# Altium PCB keyboard_main.PcbDoc (part 1 of 2) (continued)
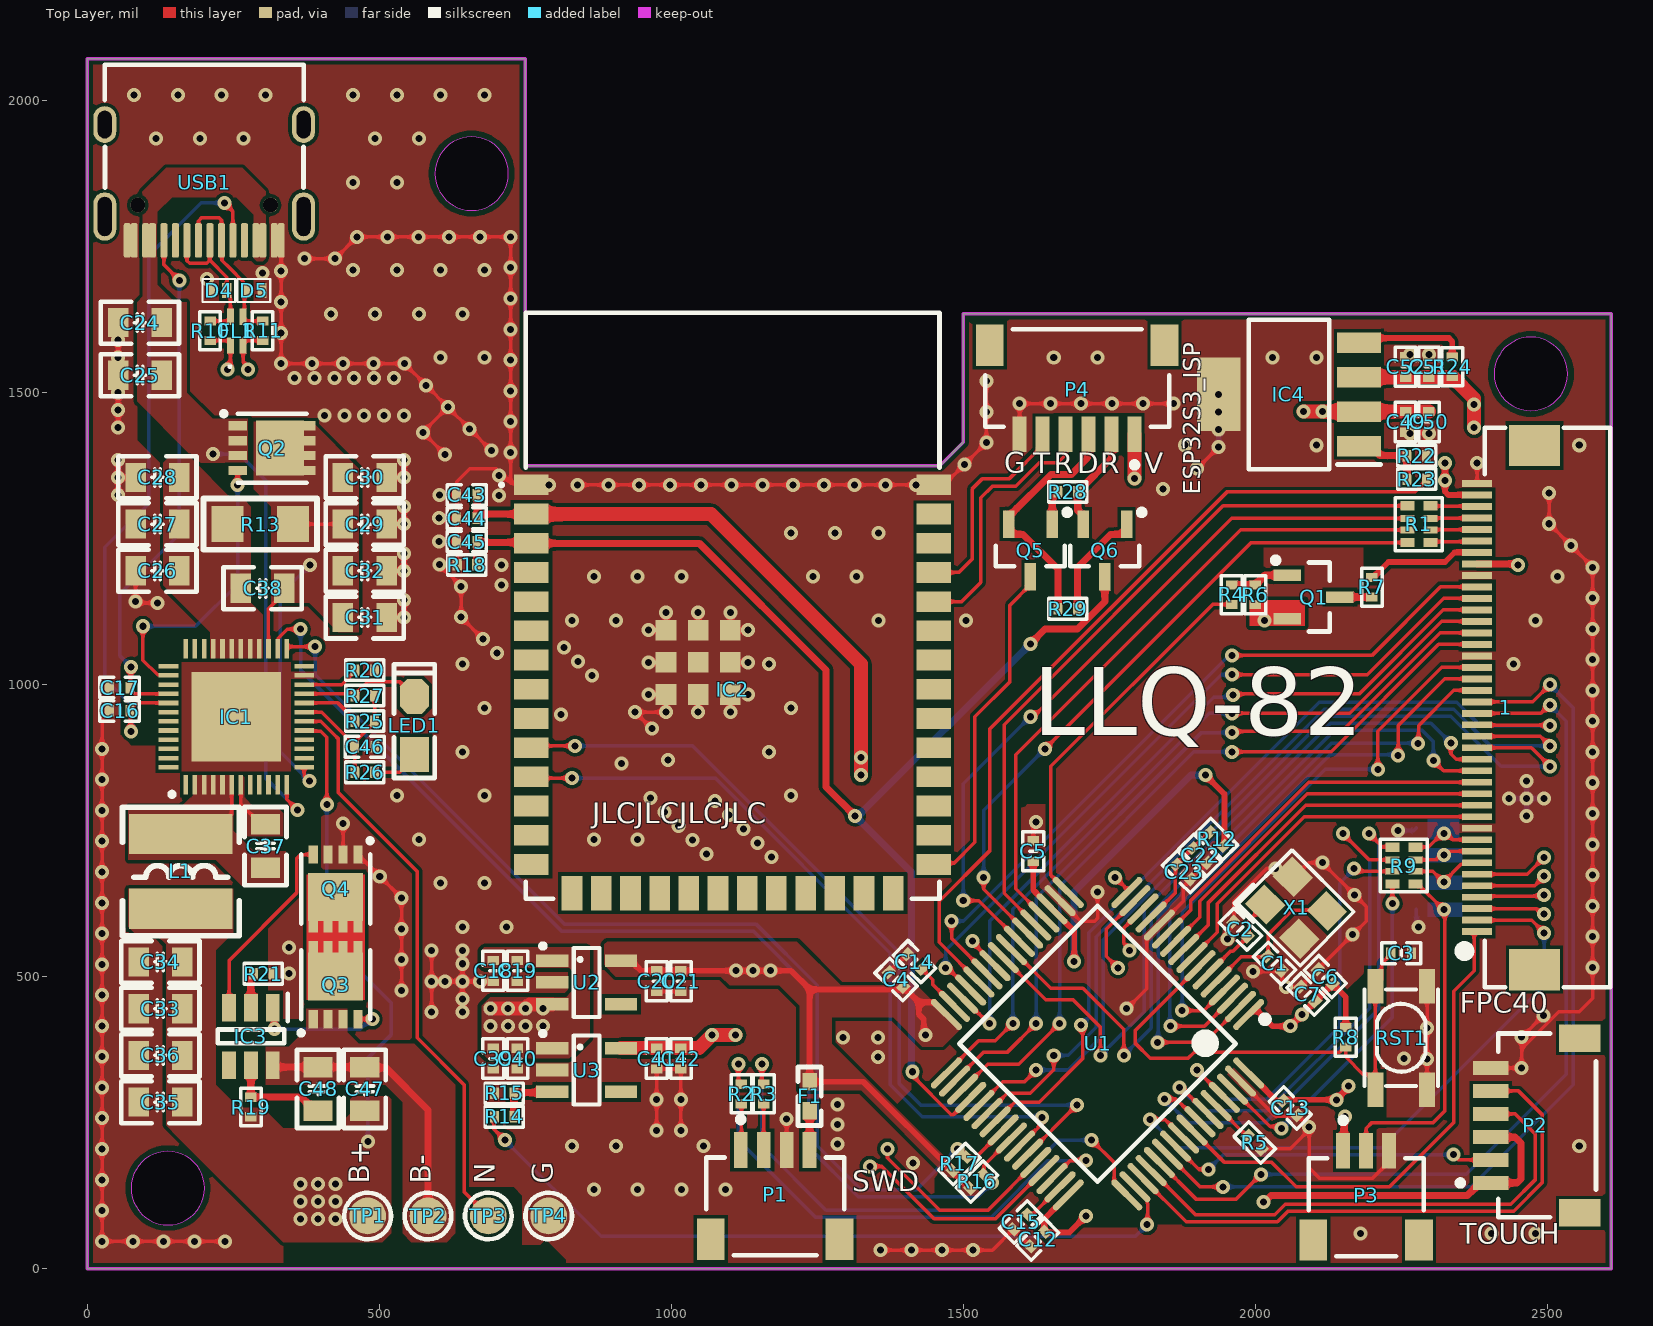
[diagram p0: Top Layer view]
## Components (designator, comment, footprint, x,y, rotation, side; value= is the part's Value field where it differs from the comment)
1 "FPC1.0-40P" "FPC0.5 2H-WS-40P" 2478.31,960.75 r90 top locked
C1 "22pF" "C 0402_L" 2033.24,522.56 r315 top
C2 "22pF" "C 0402_L" 1974.78,581.02 r135 top
C3 "0.1uF" "C 0402_L" 2250,540 r0 top
C4 "0.1uF" "C 0402_L" 1385,495 r315 top
C5 "0.1uF" "C 0402_L" 1620,715 r270 top
C6 "0.1uF" "C 0402_L" 2120,500 r315 top
C7 "0.1uF" "C 0402_L" 2090,470 r315 top
C8 "47pF" "C 0402_L" 2360,755 r180 bottom
C9 "47pF" "C 0402_L" 2360,708.34 r180 bottom
C10 "47pF" "C 0402_L" 2360,661.67 r180 bottom
C11 "47pF" "C 0402_L" 2360,615 r180 bottom
C12 "0.1uF" "C 0402_L" 1627.5,50.43 r45 top
C13 "2.2uF" "C 0402_L" 2060,275 r135 top
C14 "2.2uF" "C 0402_L" 1416.46,525.61 r315 top
C15 "2.2uF" "C 0402_L" 1598.18,79.75 r45 top
C16 "330pF" "C 0402_L" 55,955 r180 top
C17 "330pF" "C 0402_L" 55,995 r180 top
C18 "4.7uF" "C 0402_L" 695,509.68 r270 top
C19 "0.1uF" "C 0402_L" 736.33,509.68 r270 top
C20 "4.7uF" "C 0402_L" 975,492.28 r270 top
C21 "0.1uF" "C 0402_L" 1016.43,492.28 r270 top
C22 "4.7uF" "C 0402_L" 1905.68,707.75 r315 top
C23 "0.1uF" "C 0402_L" 1877.4,679.47 r315 top
C24 "22uF" "C 0805_L" 90,1620 r0 top
C25 "0.1uF" "C 0805_L" 90,1530 r0 top
C26 "22uF" "C 0805_L" 120,1195 r180 top
C27 "22uF" "C 0805_L" 120,1275 r180 top
C28 "22uF" "C 0805_L" 120,1355 r180 top
C29 "22uF" "C 0805_L" 475,1275 r0 top
C30 "22uF" "C 0805_L" 475,1355 r0 top
C31 "22uF" "C 0805_L" 475,1115 r0 top
C32 "0.1uF" "C 0805_L" 475,1195 r0 top
C33 "22uF" "C 0805_L" 125,445 r0 top
C34 "22uF" "C 0805_L" 125,525 r0 top
C35 "22uF" "C 0805_L" 125,285 r0 top
C36 "0.1uF" "C 0805_L" 125,365 r0 top
C37 "0.1uF" "C 0805_L" 305,723.52 r270 top
C38 "0.1uF" "C 0805_L" 300,1165 r0 top
C39 "4.7uF" "C 0402_L" 695,359.68 r270 top
C40 "0.1uF" "C 0402_L" 736.33,359.68 r270 top
C41 "4.7uF" "C 0402_L" 975,359.68 r270 top
C42 "0.1uF" "C 0402_L" 1016.43,359.68 r270 top
C43 "0.1uF" "C 0402_L" 650,1325 r0 top
C44 "4.7uF" "C 0402_L" 650,1285 r0 top
C45 "0.1uF" "C 0402_L" 650,1245 r180 top
C46 "0.1uF" "C 0402_L" 475,893.74 r180 top
C47 "0.1uF" "C 0805_L" 475,307.6 r90 top
C48 "0.1uF" "C 0805_L" 395,307.6 r90 top
C49 "4.7uF" "C 0402_L" 2257.63,1449.82 r270 top
C50 "0.1uF" "C 0402_L" 2297.62,1449.82 r270 top
C51 "4.7uF" "C 0402_L" 2297.62,1544.31 r90 top
C52 "0.1uF" "C 0402_L" 2257.62,1544.31 r90 top
D1 "PESD5V0F1BL,315" SOD-882_L1.0-W0.6-BI 2290,755 r180 bottom
D2 "PESD5V0F1BL,315" SOD-882_L1.0-W0.6-BI 2290,708.33 r180 bottom
D3 "PESD5V0F1BL,315" SOD-882_L1.0-W0.6-BI 2290,661.67 r180 bottom
D4 "PESD5V0F1BL,315" SOD-882_L1.0-W0.6-BI 225,1675 r180 top
D5 "PESD5V0F1BL,315" SOD-882_L1.0-W0.6-BI 285,1675 r0 top
D6 "PESD5V0F1BL,315" SOD-882_L1.0-W0.6-BI 2290,615 r180 bottom
F1 "0.6A" "FU 0402" 1236.91,295 r270 top
FL1 "DLP11SN900HL2B" DLP11SA350HL2B 255.83,1605.39 r90 top
IC1 "SW6208" QFN40P600X600X80-49N 255,945 r90 top
IC2 "ESP32-S3-WROOM-1" ESP32S3WROOM1 1105,1135 r0 top
IC3 "DW01+G" SOT95P280X145-6N 280,397.6 r270 top
IC4 "LP3875EMP-3.3_NOPB" SOT150P700X180-5N 2057.62,1497.06 r180 top
L1 "2.2uH" CD42 160,680 r90 top
LED1 "红色" "LED 0805G" 560,930 r90 top
P1 "SWD" JST-SM04B-SRSS-TB_V 1177.86,106.54 r0 top
P2 "TOUCH" JST-SM06B-SRSS-TB_V 2500,245 r90 top
P3 "RGB4" JST-SM03B-SRSS-TB_V 2190,105 r0 top
P4 "ESP32_ISP" JST-SM06B-SRSS-TB_V 1695,1525 r180 top
Q1 "SS8550" SOT23-3N 2100,1150 r270 top
Q2 "AON7544" DFN-8_L3.0-W3.0-P0.65-BL 316.22,1405 r270 top
Q3 "AON7544" DFN-8_L3.0-W3.0-P0.65-BL 425,486.22 r0 top
Q4 "AON7544" DFN-8_L3.0-W3.0-P0.65-BL 425,650 r180 top
Q5 "SS8050" SOT23-3N 1615,1230 r180 top
Q6 "SS8050" SOT23-3N 1742.6,1230 r180 top
R1 "22R" RCA-8P4R-0402 2280.31,1274.84 r270 top
R2 "0R" "R 0402_L" 1120,300 r270 top
R3 "0R" "R 0402_L" 1158.18,300 r270 top
R4 "1K" "R 0402_L" 1960,1153.04 r90 top
R5 "10K" "R 0402_L" 1998.61,216.39 r315 top
R6 "10K" "R 0402_L" 2000,1155 r270 top
R7 "10R" "R 0402_L" 2200,1167.71 r270 top
R8 "10K" "R 0402_L" 2155,395 r90 top
R9 "0R" RCA-8P4R-0402 2254.69,690.16 r270 top
R10 "22R" "R 0402_L" 210,1605 r90 top
R11 "22R" "R 0402_L" 300,1605 r90 top
R12 "0R" "R 0402_L" 1935,735 r135 top
R13 "5mR" "R 1206_L" 295,1275 r0 top
R14 "10R" "R 0402_L" 713.04,260 r0 top
R15 "10K" "R 0402_L" 715,300 r180 top
R16 "4.7K" "R 0402_L" 1522.72,148.44 r45 top
R17 "4.7K" "R 0402_L" 1492.72,178.44 r45 top
R18 "10K" "R 0402_L" 650.98,1205 r180 top
R19 "100R" "R 0402_L" 280,277.6 r270 top
R20 "Rcset" "R 0402_L" 474.02,1025 r0 top
R21 "1K" "R 0402_L" 300,505 r0 top
R22 "10K" "R 0402_L" 2277.62,1392.06 r180 top
R23 "10R" "R 0402_L" 2277.62,1352.06 r180 top
R24 "0R" "R 0402_L" 2337.62,1545.29 r270 top
R25 "10K" "R 0402_L" 475.98,937.49 r180 top
R26 "2K" "R 0402_L" 474.02,850 r0 top
R27 "Rbset" "R 0402_L" 475.98,981.24 r180 top
R28 "10K" "R 0402_L" 1680,1330 r180 top
R29 "10K" "R 0402_L" 1678.04,1130 r0 top
RST1 "KEY_M" SMD-3.2*4.2 2250,395 r90 top
TP1 "BAT+" "TEST 1.6" 480,90 r0 top
TP2 "BAT-" "TEST 1.6" 583.33,90 r0 top
TP3 "NTC" "TEST 1.6" 686.67,90 r180 top
TP4 "GND" "TEST 1.6" 790,90 r180 top
U1 "STM32F405RGT6_LQFP64" LQFP-64_10X10X05P 1730,385 r225 top locked
U2 "RT9013-33GB" SOT23-5M 855,490 r270 top
U3 "RT9013-33GB" SOT23-5M 855,340 r270 top
USB1 "USB_Type-C" Type-C-TOP 200,1860 r90 top locked
X1 "12M" "OSC 3225-4P" 2070.04,617.82 r315 top

## Footprints (in the part's own frame and the unit in brackets; to place one, negate y for a bottom-side part, rotate by r counter-clockwise, add the part's x,y. Pads: shape width x height; smd on the part's side, far side on the other; paste and mask are expansions set on the pad)
"C 0402_L" [mm] "无极性贴片电容         淘宝ID:黄晶宝石"
  rect 0.4x0.5 smd: 1(-0.45,0) 2(0.45,0)
  silkscreen extent -0.85,-0.45 0.85,0.45, body extent -0.5,-0.26 0.5,0.26, height 0.53
"C 0805_L" [mil] "无极性贴片电容                                        淘宝ID:黄晶宝石"
  rect 35x50 smd: 1(-37.4,0) 2(37.4,0)
  silkscreen extent -67,-36 67,36, body extent -39,-24 39,24, height 20
CD42 [mm] "4.5*4*2mm（长宽高）        淘宝ID:黄晶宝石"
  rect 1.75x4.5 smd: 1(-1.625,0) 2(1.625,0)
  silkscreen extent -2.79,-2.54 2.79,2.54, body extent -2.21,-2 2.21,2, height 2.1
DFN-8_L3.0-W3.0-P0.65-BL [mm]
  rect 0.4x0.8 smd: 1(-0.975,-1.5) 2(-0.325,-1.5) 3(0.325,-1.5) 4(0.975,-1.5) 5(0.975,1.5) 6(0.325,1.5) 7(-0.325,1.5) 8(-0.975,1.5)
  rect 2.4x2.1 smd: 8(0,0.35)
  silkscreen extent -1.6,-2.2 1.5,1.5, body extent -1.55,-1.7 1.55,1.5, height 0.81
DLP11SA350HL2B [mm]
  rect 0.7x0.3 smd: 1(-0.625,0.275) 2(0.625,0.275) 3(0.625,-0.275) 4(-0.625,-0.275)
  silkscreen extent -1.6,0.25 -1.5,0.35, body extent -0.63,-0.5 0.63,0.5, height 0.82
ESP32S3WROOM1 [mm]
  rect 1.5x0.9 smd: 1(-8.75,5.26) 2(-8.75,3.99) 3(-8.75,2.72) 4(-8.75,1.45) 5(-8.75,0.18) 6(-8.75,-1.09) 7(-8.75,-2.36) 8(-8.75,-3.63) 9(-8.75,-4.9) 10(-8.75,-6.17) 11(-8.75,-7.44) 12(-8.75,-8.71) 13(-8.75,-9.98) 14(-8.75,-11.25) 27(8.75,-11.25) 28(8.75,-9.98) 29(8.75,-8.71) 30(8.75,-7.44) 31(8.75,-6.17) 32(8.75,-4.9) 33(8.75,-3.63) 34(8.75,-2.36) 35(8.75,-1.09) 36(8.75,0.18) 37(8.75,1.45) 38(8.75,2.72) 39(8.75,3.99) 40(8.75,5.26)
  rect 0.9x1.5 smd: 15(-6.985,-12.5) 16(-5.715,-12.5) 17(-4.445,-12.5) 18(-3.175,-12.5) 19(-1.905,-12.5) 20(-0.635,-12.5) 21(0.635,-12.5) 22(1.905,-12.5) 23(3.175,-12.5) 24(4.445,-12.5) 25(5.715,-12.5) 26(6.985,-12.5)
  rect 0.9x0.9 smd: 41(-1.5,-2.46) 42(-1.5,-1.06) 43(-2.9,-1.06) 44(-2.9,-2.46) 45(-2.9,-3.86) 46(-1.5,-3.86) 47(-0.1,-3.86) 48(-0.1,-2.46) 49(-0.1,-1.06)
  silkscreen extent -10.1,-12.75 9,12.75, body extent -8.98,-12.78 9.04,12.73, height 3.11
"FPC0.5 2H-WS-40P" [mm] "长：24.2mm，宽：5.2mm，高：2mm 淘宝ID:黄晶宝石   店铺网址:https://shop463601444.taobao.com"
  rect 1.8x2.2 smd: 0(-11.4,0) 0(11.4,0)
  rect 0.3x1.3 smd: 1(-9.75,2.497) 2(-9.25,2.497) 3(-8.75,2.497) 4(-8.25,2.497) 5(-7.75,2.497) 6(-7.25,2.497) 7(-6.75,2.497) 8(-6.25,2.497) 9(-5.75,2.497) 10(-5.25,2.497) 11(-4.75,2.497) 12(-4.25,2.497) 13(-3.75,2.497) 14(-3.25,2.497) 15(-2.75,2.497) 16(-2.25,2.497) 17(-1.75,2.497) 18(-1.25,2.497) 19(-0.75,2.497) 20(-0.25,2.497) 21(0.25,2.497) 22(0.75,2.497) 23(1.25,2.497) 24(1.75,2.497) 25(2.25,2.497) 26(2.75,2.497) 27(3.25,2.497) 28(3.75,2.497) 29(4.25,2.497) 30(4.75,2.497) 31(5.25,2.497) 32(5.75,2.497) 33(6.25,2.497) 34(6.75,2.497) 35(7.25,2.497) 36(7.75,2.497) 37(8.25,2.497) 38(8.75,2.497) 39(9.25,2.497) 40(9.75,2.497)
  silkscreen extent -12.17,-3.3 12.17,3.23, body extent -12.1,-3.15 12.1,2.85, height 2
"FU 0402" [mil] "贴片保险丝          淘宝ID:黄晶宝石"
  rect 30x25 smd: 1(-25,0) 2(25,0)
  silkscreen extent -50,-20 50,20, body extent -20,-10 20,10, height 15
JST-SM03B-SRSS-TB_V [mm] "SMD, 3-Leads, Body 5x4.25mm, Pitch 1mm"
  rect 0.6x1.55 smd: 1(-1,2.45) 2(0,2.45) 3(1,2.45)
  rect 1.2x1.8 smd: MP1(-2.3,-1.425) MP2(2.3,-1.425)
  silkscreen extent -2.5,-2.12 2.5,3.9, body extent -2.5,-2.12 2.5,2.83, height 2.9
JST-SM04B-SRSS-TB_V [mm] "SMD, 4-Leads, Body 6x4.25mm, Pitch 1mm"
  rect 0.6x1.55 smd: 1(-1.5,2.45) 2(-0.5,2.45) 3(0.5,2.45) 4(1.5,2.45)
  rect 1.2x1.8 smd: MP1(-2.8,-1.425) MP2(2.8,-1.425)
  silkscreen extent -3,-2.12 3,3.9, body extent -3,-2.12 3,2.83, height 2.9
JST-SM06B-SRSS-TB_V [mm] "SMD, 6-Leads, Body 8x4.25mm, Pitch 1mm"
  rect 0.6x1.55 smd: 1(-2.5,2.45) 2(-1.5,2.45) 3(-0.5,2.45) 4(0.5,2.45) 5(1.5,2.45) 6(2.5,2.45)
  rect 1.2x1.8 smd: MP1(-3.8,-1.425) MP2(3.8,-1.425)
  silkscreen extent -4,-2.12 4,3.9, body extent -4,-2.12 4,2.83, height 2.9
"LED 0805G" [mil] "绿色0805LED                              淘宝ID:黄晶宝石"
  rect 60x50 smd: 1(-50,0)
  oct 60x50 smd: 2(50,0)
  silkscreen extent -90,-35 105,35, body extent -39,-25 39,25, height 26
LQFP-64_10X10X05P [mil]
  oval 70.7x11.02 smd: 1(-218.5,147.64) 2(-218.5,127.95) 3(-218.5,108.27) 4(-218.5,88.58) 5(-218.5,68.9) 6(-218.5,49.21) 7(-218.5,29.53) 8(-218.5,9.84) 9(-218.5,-9.84) 10(-218.5,-29.53) 11(-218.5,-49.21) 12(-218.5,-68.9) 13(-218.5,-88.58) 14(-218.5,-108.27) 15(-218.5,-127.95) 16(-218.5,-147.64) 33(218.5,-147.64) 34(218.5,-127.95) 35(218.5,-108.27) 36(218.5,-88.58) 37(218.5,-68.9) 38(218.5,-49.21) 39(218.5,-29.53) 40(218.5,-9.84) 41(218.5,9.84) 42(218.5,29.53) 43(218.5,49.21) 44(218.5,68.9) 45(218.5,88.58) 46(218.5,108.27) 47(218.5,127.95) 48(218.5,147.64)
  oval 11.02x70.7 smd: 17(-147.64,-218.5) 18(-127.95,-218.5) 19(-108.27,-218.5) 20(-88.58,-218.5) 21(-68.9,-218.5) 22(-49.21,-218.5) 23(-29.53,-218.5) 24(-9.84,-218.5) 25(9.84,-218.5) 26(29.53,-218.5) 27(49.21,-218.5) 28(68.9,-218.5) 29(88.58,-218.5) 30(108.27,-218.5) 31(127.95,-218.5) 32(147.64,-218.5) 49(147.64,218.5) 50(127.95,218.5) 51(108.27,218.5) 52(88.58,218.5) 53(68.9,218.5) 54(49.21,218.5) 55(29.53,218.5) 56(9.84,218.5) 57(-9.84,218.5) 58(-29.53,218.5) 59(-49.21,218.5) 60(-68.9,218.5) 61(-88.58,218.5) 62(-108.27,218.5) 63(-127.95,218.5) 64(-147.64,218.5)
  silkscreen extent -238,-167 167,179, body extent -232,-232 232,232, height 61
"OSC 3225-4P" [mm] "3.2*2.5*0.7mm(长宽高)                         淘宝ID:黄晶宝石"
  rect 1.3x1.2 smd: 1(-1.05,-0.85) 2(1.05,-0.85) 3(1.05,0.85) 4(-1.05,0.85)
  silkscreen extent -2.03,-1.75 1.91,1.65, body extent -1.6,-1.25 1.6,1.25, height 0.7
QFN40P600X600X80-49N [mm]
  rect 0.85x0.2 smd: 1(-2.95,2.2) 2(-2.95,1.8) 3(-2.95,1.4) 4(-2.95,1) 5(-2.95,0.6) 6(-2.95,0.2) 7(-2.95,-0.2) 8(-2.95,-0.6) 9(-2.95,-1) 10(-2.95,-1.4) 11(-2.95,-1.8) 12(-2.95,-2.2) 25(2.95,-2.2) 26(2.95,-1.8) 27(2.95,-1.4) 28(2.95,-1) 29(2.95,-0.6) 30(2.95,-0.2) 31(2.95,0.2) 32(2.95,0.6) 33(2.95,1) 34(2.95,1.4) 35(2.95,1.8) 36(2.95,2.2)
  rect 0.2x0.85 smd: 13(-2.2,-2.95) 14(-1.8,-2.95) 15(-1.4,-2.95) 16(-1,-2.95) 17(-0.6,-2.95) 18(-0.2,-2.95) 19(0.2,-2.95) 20(0.6,-2.95) 21(1,-2.95) 22(1.4,-2.95) 23(1.8,-2.95) 24(2.2,-2.95) 37(2.2,2.95) 38(1.8,2.95) 39(1.4,2.95) 40(1,2.95) 41(0.6,2.95) 42(0.2,2.95) 43(-0.2,2.95) 44(-0.6,2.95) 45(-1,2.95) 46(-1.4,2.95) 47(-1.8,2.95) 48(-2.2,2.95)
  rect 3.9x3.9 smd: 49(0,0)
  silkscreen extent -3.47,2.7 -3.28,2.9, body extent -3.05,-3.05 3.05,3.05, height 0.8
"R 0402_L" [mm] "1/16W贴片电阻     淘宝ID:黄晶宝石"
  rect 0.4x0.5 smd: 1(-0.4,0) 2(0.45,0)
  silkscreen extent -0.8,-0.45 0.85,0.45, body extent -0.5,-0.25 0.5,0.25, height 0.3
"R 1206_L" [mil] "1/4W贴片电阻"
  rect 55x62 smd: 1(-55.12,0) 2(57.09,0)
  silkscreen extent -96,-44 98,44, body extent -63,-31 63,32, height 22
RCA-8P4R-0402 [mm] "2mm*1mm*0.45mm(长*宽*厚)"
  rect 0.4x0.6 smd: 1(-0.8,-0.5) 4(0.8,-0.5) 5(0.8,0.5) 8(-0.8,0.5)
  rect 0.3x0.6 smd: 2(-0.25,-0.5) 3(0.25,-0.5) 6(0.25,0.5) 7(-0.25,0.5)
  silkscreen extent -1.14,-1.02 1.15,1.01, body extent -1,-0.5 1,0.5, height 0.45
SMD-3.2*4.2 [mm]
  rect 1.5x0.7 smd: 1(-2.25,1.125) 1(2.25,1.125) 2(-2.25,-1.125) 2(2.25,-1.125)
  silkscreen extent -2.1,-1.6 2.1,1.6, body extent -2.73,-1.6 2.47,1.58, height 1.8
SOD-882_L1.0-W0.6-BI [mm]
  rect 0.4x0.65 smd: 1(-0.35,0) 2(0.35,0)
  silkscreen extent -0.71,-0.5 0.71,0.5, body extent -0.51,-0.3 0.49,0.3, height 0.43
SOT23-3N [mm] "3x1.3x1mm(长宽高)    封装库来自淘宝卖家 ID：黄晶宝石"
  rect 0.5x1.2 smd: 1(-0.95,-1.143) 2(0.95,-1.143) 3(0,1.143)
  silkscreen extent -1.72,-1.78 1.5,0.7, body extent -1.5,-1.2 1.5,1.2, height 1.05
SOT23-5M [mm] "3x1.6x1.1mm(长宽高) 封装库来自淘宝卖家 ID：黄晶宝石"
  rect 0.55x1.4 smd: 1(-0.95,-1.5) 2(0,-1.5) 3(0.95,-1.5) 4(0.95,1.5) 5(-0.95,1.5)
  silkscreen extent -1.66,-1.98 1.5,0.56, body extent -1.5,-1.4 1.5,1.4, height 1.15
SOT95P280X145-6N [mm]
  rect 1.2x0.6 smd: 1(-1.25,0.95) 2(-1.25,0) 3(-1.25,-0.95) 4(1.25,-0.95) 5(1.25,0) 6(1.25,0.95)
  silkscreen extent -1.85,-1.45 0.3,1.6, body extent -1.4,-1.45 1.4,1.45, height 1.45
SOT150P700X180-5N [mm]
  rect 1.9x0.9 smd: 1(-3.05,2.25) 2(-3.05,0.75) 3(-3.05,-0.75) 4(-3.05,-2.25)
  rect 1.9x3.2 smd: 5(3.05,0)
  silkscreen extent -4,-3.25 1.75,3.25, body extent -3.48,-3.25 3.48,3.25, height 1.69
"TEST 1.6" [mm] "测试点1.6mm"
  round 1.6 smd paste-1.6: 1(0,0)
  silkscreen extent -1.01,-1.02 1.02,1.02
Type-C-TOP [mm]
  round 0.65 hole 0.65: 0(-0.98,2.89) 0(-0.98,-2.89)
  oval 1.6x1 hole 0.6 slot 1.2 at 0 deg: 1(2.52,4.325) 2(2.52,-4.325)
  oval 2.1x1 hole 0.6 slot 1.7 at 0 deg: 3(-1.48,-4.325) 4(-1.48,4.325)
  rrect50% 1.5x0.3 smd: A1(-2.52,-3.35) A4(-2.52,-2.55) A5(-2.52,-1.25) A6(-2.52,-0.25) A7(-2.52,0.25) A8(-2.52,1.25) A9(-2.52,2.55) A12(-2.52,3.35) B1(-2.52,3.05) B4(-2.52,2.25) B5(-2.52,1.75) B6(-2.52,0.75) B7(-2.52,-0.75) B8(-2.52,-1.75) B9(-2.52,-2.25) B12(-2.52,-3.05)
  silkscreen extent -0.22,-4.33 5.12,4.33, body extent -2.64,-4.48 5.26,4.46, height 3.28

## Part data
1: library part FPC-40P, "FPC连接器", BOM名称=FPC连接器, 学习资源=https://lmdzstyle.taobao.com/, 版权归属=黎明电子style
C1 C2 C3 C4 C5 C6 C7 C8 C9 C10 C11 C12 C13 C14 C15 C16 C17 C18 C19 C20 C21 C22 C23 C24 C25 C26 C27 C28 C29 C30 C31 C32 C33 C34 C35 C36 C37 C38 C39 C40 C41 C42 C43 C44 C45 C46 C47 C48 C49 C50 C51 C52: library part C, "贴片电容"
D1 D2 D3 D4 D5 D6: "PESD5V0F1BL,315、ESD二极管、5.5V"
F1: library part FU, "贴片保险丝"
FL1: "Filter", Manufacturer_Name="Murata Electronics", Mouser Part Number=81-DLP11SN900HL2B, Datasheet Link=https://www.murata.com/en-us/products/productdetail?partno=DLP11SN900HL2%23, Height=0.92mm, Manufacturer_Part_Number=DLP11SN900HL2B, Mouser Price/Stock=https://www.mouser.co.uk/ProductDetail/Murata-Electronics/DLP11SN900HL2B?qs=%2F%252BYoplLUB5ikZtvOhZcMEg%3D%3D
IC1: "Integrated Circuit", Manufacturer_Name="ZHUHAI ISMARTWARE TECHNOLOGY CO.", Datasheet Link=https://www.docin.com/p-2178775282.html, Height=0.8mm, Manufacturer_Part_Number=SW6208
IC2: "Integrated Circuit", Manufacturer_Name="Espressif Systems", Datasheet Link=https://www.mouser.com/catalog/specsheets/Espressif_ESP32_S3_WROOM_1_1U_Preliminary.pdf, Height=3.25mm, Manufacturer_Part_Number=ESP32-S3-WROOM-1
IC3: "Integrated Circuit", Manufacturer_Name=fortune, Datasheet Link=https://datasheet.lcsc.com/szlcsc/Fortune-Semicon-DW01-G_C14213.pdf, Height=1.45mm, Manufacturer_Part_Number=DW01+G
IC4: "Integrated Circuit", Arrow Part Number=LP3875EMP-3.3/NOPB, Manufacturer_Name="Texas Instruments", Mouser Part Number=926-LP3875EMP33NOPB, Arrow Price/Stock=https://www.arrow.com/en/products/lp3875emp-3.3nopb/texas-instruments, Datasheet Link=http://www.ti.com/lit/ds/symlink/lp3875.pdf, Height=1.8mm, Manufacturer_Part_Number=LP3875EMP-3.3/NOPB, Mouser Price/Stock=https://www.mouser.co.uk/ProductDetail/Texas-Instruments/LP3875EMP-33-NOPB/?qs=1FNqv8aZn1T8BQ9vh08sWQ%3D%3D
L1: library part L-SMD, "CD系列贴片线绕功率电感"
LED1: library part LED-SMD, "贴片LED"
P1: library part SM04B-SRSS-TB(LF)(SN), "Male Header, Pitch 1 mm, 1 x 4 Position, Height 2.9 mm, -25 to 85 degC, RoHS, Tape and Reel", Manufacturer=JST, Package Description="Male Header, Pitch 1 mm, 1 x 4 Position, Height 2.9 mm", Datasheet URL=http://www.jst-mfg.com/product/pdf/eng/eSR.pdf, Datasheet Version=05/2016, Manufacturer URL=http://www.jst.com/home2.html, Mounting Technology=SurfaceMount, No of Positions=4, Package Reference=SM04B-SRSS-TB(LF)(SN), Pitch=1mm, Style/Orientation=RightAngleHeader/Plug, Termination=Crimp, Type=ShroudedHeader
P2 P4: library part SM06B-SRSS-TB(LF)(SN), "Male Header, Pitch 1 mm, 1 x 6 Position, Height 2.9 mm, -25 to 85 degC, RoHS, Tape and Reel", Manufacturer=JST, Package Description="Male Header, Pitch 1 mm, 1 X 6 Position, Height 2.9 mm", Datasheet URL=http://www.jst-mfg.com/product/pdf/eng/eSR.pdf, Datasheet Version=05/2016, Manufacturer URL=http://www.jst.com/home2.html, Mounting Technology=SurfaceMount, No of Positions=6, Package Reference=SM06B-SRSS-TB(LF)(SN), Pitch=1mm, Style/Orientation=RightAngleHeader/Plug, Termination=Solder, Type=ShroudedHeader
P3: library part SM03B-SRSS-TB(LF)(SN), "Male Header, Pitch 1 mm, 1 x 3 Position, Height 2.9 mm, -25 to 85 degC, RoHS, Tape and Reel", Manufacturer=JST, Package Description="Male Header, Pitch 1 mm, 1 x 3 Position, Height 2.9 mm", Package Reference=SM03B-SRSS-TB, Datasheet URL=http://www.jst-mfg.com/product/pdf/eng/eSR.pdf, Datasheet Version=05/2016, Manufacturer URL=http://www.jst.com/home2.html, Mounting Technology=SurfaceMount, No of Positions=3, Pitch=1mm, Style/Orientation=RightAngleHeader/Plug, Termination=Crimp, Type=ShroudedHeader
Q1: library part 8550-SMD, "高频放大-PNP型"
Q2 Q3 Q4: library part BSC070N10NS3GATMA1
Q5 Q6: library part 8050-SMD, "高频放大-NPN型"
R1 R9: library part R-8P4R, "贴片排阻"
R2 R3 R4 R5 R6 R7 R8 R10 R11 R12 R13 R14 R15 R16 R17 R18 R19 R20 R21 R22 R23 R24 R25 R26 R27 R28 R29: library part R, "贴片电阻"
TP1 TP2 TP3 TP4: library part TEST, "测试点"
X1: library part XTAL-4P, "4脚无源晶振"

## Via types
v1: diameter 24, hole 12, Top Layer to Bottom Layer, tented both sides, 444 vias

## Nets (pads, with @x,y where several pads share a name; then routed paths per layer and width w, separated by ;. In a path a pad name is that pad's centre, name@x,y a point inside that pad or via, vN(x,y) a via of type N, cw(c..) or ccw(c..) an arc to the next point about the centre after c; other vN are vias at no path point)
AVCC3V3: C22.1 C23.1 R12.2 U1.13 | length 188.3
  Top Layer w6: U1.13@1821.87,602.14 1863.48,643.75 1863.48,690.6 C23.1@1864.87,691.99 C22.1@1893.16,720.28 1894.19,720.28 1921.44,747.53 R12.2@1922.48,747.53
BAT+: C18.1 C19.1 C33.2 C34.2 C35.2 C36.2 C39.1 C40.1 C47.1 C49.1 C50.1 IC1.17 IC4.2 L1.1 R19.2 TP1.1 U2.1 U2.3 U3.1 | length 3061.4
  Top Layer w6: IC1.17@371.14,921.38 372.08,920.44 399.56,920.44 410,910 v1(410,795)
  Top Layer w24: v1(690,445) v1(720,445) v1(750,445) 757.6,452.6 U2.3@795.94,452.6 ; v1(2082.54,1467.54) v1(2115,1467.54) IC4.2@2177.7,1467.54 C49.1@2257.63,1467.54 C50.1@2297.62,1467.54
  PWR w24: v1(690,445) v1(720,445) v1(750,445) v1(780,445) 1215,445 1325,555 1325,710 v1(2082.54,1467.54) v1(2115,1467.54)
  Bottom Layer w6: v1(410,795) 410,565 520,455 520,400 480.47,360.47 v1(480.47,217.61)
  other v1: 365,85 395,85 425,85 365,115 395,115 425,115 365,145 395,145 425,145 690,415 720,415 750,415 780,415
BAT-: C47.2 C48.2 IC3.6 Q3.1 Q3.2 Q3.3 TP2.1 | length 479.4
  Top Layer w12: IC3.6@317.4,348.39 320.79,345 C48.2@395,345 C47.2@475,345 475.98,344.03 510.97,344.03 583.33,271.67 TP2.1@583.33,90
BOOT0: R5.1 U1.60 | length 75.7
  Top Layer w6: U1.60@1933.22,279.22 1984.92,227.52 R5.1@1987.47,227.52
CHIP_PU: C45.1 IC2.3 Q6.3 R18.1 U1.36 | length 2247.1
  Top Layer w6: v1(1413,337) 1413,330.28 1479.75,263.52 1483.25,263.52 U1.36@1512.86,293.13
  Top Layer w12: R18.1@666.73,1205 667.22,1205.5 667.22,1244.51 C45.1@667.72,1245 669.17,1243.54 759.06,1243.54 IC2.3@760.51,1242.09 1047.91,1242.09 1265,1025 1265,825 v1(1315,775) ; v1(1615,1070) 1640,1095 1695.44,1095 1742.6,1142.16 Q6.3@1742.6,1185
  Bottom Layer w12: v1(1413,337) 1411,339 1411,679 v1(1315,775) 1317.3,777.3 1322.3,777.3 v1(1615,1070)
DTR: P4.3 Q5.2 R29.1 | length 424
  Top Layer w12: R29.1@1662.29,1130 1662.29,1197.71 1602.62,1257.38 1581.44,1257.38 1577.6,1261.22 1577.6,1288.78 1581.44,1292.62 1582.62,1292.62 1650,1360 1685,1360 1712.22,1387.22 1712.22,1426.08 P4.3@1714.68,1428.54
GND: 1.10 1.25 1.32 1.40 C1.2 C2.2 C3.2 C4.1 C5.1 C6.1 C7.1 C8.1 C9.1 C10.1 C11.1 C12.1 C13.1 C14.1 C15.1 C16.2 C17.2 C18.2 C19.2 C20.2 C21.2 C22.2 C23.2 C24.1 C25.1 C26.2 C27.2 C28.2 C29.2 C30.2 C31.2 C32.2 C33.1 C34.1 C35.1 C36.1 C39.2 C40.2 C41.2 C42.2 C43.1 C44.1 C45.2 C46.1 C49.2 C50.2 C51.2 C52.2 D1.2 D2.2 D3.2 D4.2 D5.2 D6.2 IC1.23 IC1.49 IC2.1 IC2.40 IC2.41 IC2.42 IC2.43 IC2.44 IC2.45 IC2.46 IC2.47 IC2.48 IC2.49 IC4.5 P1.3 P2.6 P3.3 P4.6 Q4.1 Q4.2 Q4.3 R5.2 R15.2 R18.2 R20.2 R21.2 R22.1 RST1.2 TP4.1 U1.12 U1.18 U1.63 U2.2 U3.2 USB1.A1 USB1.A12 USB1.B1 USB1.B12 X1.2 X1.4 | length 11356.4
  Top Layer w6: C16.2@37.29,955 25,942.72 v1(25,890) v1(25,837.28) v1(25,784.57) v1(25,731.85) v1(25,679.13) v1(25,626.42) v1(25,573.7) v1(25,520.98) v1(25,468.27) v1(25,415.55) v1(25,362.83) v1(25,310.12) v1(25,257.4) v1(25,204.68) v1(25,151.97) v1(25,99.25) v1(25,46.53) v1(77.72,46.53) v1(130.43,46.53) v1(183.15,46.53) v1(235.87,46.53) ; v1(52.6,1325) v1(52.6,1355) ; v1(52.6,1385) v1(52.6,1355) ; v1(52.6,1440) v1(52.6,1470) v1(52.6,1500) C25.1@52.6,1530 ; v1(52.6,1560) v1(52.6,1590) C24.1@52.6,1620 ; C26.2@82.6,1195 v1(82.6,1142.28) 84.89,1140 v1(120,1140) ; C28.2@82.6,1355 v1(52.6,1355) ; USB1.A1@331.89,1760.79 v1(331.89,1708.07) v1(331.89,1655.35) v1(331.89,1602.64) v1(331.89,1549.92) v1(384.61,1549.92) v1(437.32,1549.92) v1(490.04,1549.92) v1(542.76,1549.92) v1(580.03,1512.64) v1(617.31,1475.37) ; v1(371.42,1729.46) v1(424.14,1729.46) v1(461.42,1766.73) v1(514.13,1766.73) v1(566.85,1766.73) v1(619.57,1766.73) v1(672.28,1766.73) v1(725,1766.73) v1(725,1714.02) v1(725,1661.3) v1(725,1608.58) v1(725,1555.87) v1(725,1503.15) v1(725,1450.43) v1(725,1397.72) 725,1345 ; Q4.2@437.8,709.05 v1(437.8,761.77) ; Q4.1@463.39,709.05 v1(500.66,671.78) v1(537.94,634.5) v1(537.94,581.78) v1(537.94,529.07) v1(537.94,476.35) ; C31.2@512.4,1115 v1(542.4,1115) v1(542.4,1145) ; C32.2@512.4,1195 v1(542.4,1195) v1(542.4,1225) ; C29.2@512.4,1275 v1(542.4,1275) v1(542.4,1305) ; C30.2@512.4,1355 v1(542.4,1355) v1(542.4,1385) ; v1(589.56,439.26) v1(589.56,491.97) ; v1(589.56,544.69) v1(589.56,491.97) ; v1(602.29,1245) C45.2@632.29,1245 ; v1(602.28,1285) C44.1@632.28,1285 ; v1(602.78,1324.51) C43.1@632.78,1324.51 ; v1(612.28,1394.25) v1(575,1431.53) 575,1433.06 v1(617.31,1475.37) ; R18.2@633.27,1205 R18.2@632.78,1205.5 ; v1(642.28,439.26) v1(642.28,491.97) ; v1(642.28,544.69) v1(642.28,491.97) ; v1(677.33,1078.23) v1(640.05,1115.5) v1(640.05,1168.22) v1(602.78,1205.5) R18.2@632.78,1205.5 ; v1(691.86,1400.82) v1(654.59,1438.09) v1(617.31,1475.37) ; C18.2@695,491.97 v1(642.28,491.97) ; v1(790.51,1342.09) IC2.1@760.51,1342.09 757.6,1345 725,1345 ; v1(839.61,1342.09) v1(892.32,1342.09) v1(945.04,1342.09) v1(997.76,1342.09) v1(1050.47,1342.09) v1(1103.19,1342.09) v1(1155.91,1342.09) v1(1208.62,1342.09) v1(1261.34,1342.09) v1(1314.05,1342.09) v1(1366.77,1342.09) v1(1419.49,1342.09) IC2.40@1449.49,1342.09 ; v1(960.83,983.03) IC2.45@990.83,983.03 v1(990.83,953.03) v1(938.11,953.03) 966.14,925 v1(967.11,925) ; v1(960.83,1038.15) IC2.44@990.83,1038.15 ; v1(960.83,1093.27) IC2.43@990.83,1093.27 v1(990.83,1123.27) ; v1(975,236.54) v1(975,289.26) C41.2@975,341.97 C42.2@1016.43,341.97 v1(1016.43,289.26) v1(1016.43,236.54) ; C20.2@975,474.57 C21.2@1016.43,474.57 ; v1(1045.94,953.03) IC2.46@1045.94,983.03 ; IC2.42@1045.94,1093.27 v1(1045.94,1123.27) ; v1(1101.06,953.03) IC2.47@1101.06,983.03 v1(1131.06,983.03) ; IC2.48@1101.06,1038.15 v1(1131.06,1038.15) ; v1(1101.06,1123.27) IC2.49@1101.06,1093.27 v1(1131.06,1093.27) ; P1.3@1197.54,202.99 v1(1197.54,255.71) ; v1(1358.42,31.57) v1(1411.14,31.57) v1(1463.85,31.57) v1(1516.57,31.57) 1550,31.57 C15.1@1585.65,67.22 C12.1@1614.97,37.9 ; C4.1@1372.47,507.53 1372.9,507.53 1403.51,538.13 C14.1@1403.94,538.13 ; IC2.40@1465,1340 v1(1502.28,1377.28) v1(1539.55,1414.55) v1(1539.55,1467.27) v1(1539.55,1519.99) ; P4.6@1596.57,1428.54 v1(1596.57,1481.26) v1(1649.29,1481.26) v1(1702.01,1481.26) v1(1754.72,1481.26) v1(1807.44,1481.26) v1(1860.16,1481.26) ; C5.1@1620,732.72 1620,760 v1(1625,765) ; U1.18@1665.97,629.98 1700.95,595 1725,595 1730,600 v1(1730,645) ; v1(1780,445) 1814.1,479.1 1814.1,566.54 U1.12@1835.78,588.22 1876.77,629.2 1876.77,653.45 1889.92,666.61 C23.2@1889.92,666.94 C22.2@1918.21,695.22 ; v1(1900.27,1369.79) v1(1937.54,1407.06) ; v1(1952.25,564.1) 1950,566.35 1950,575.51 1963.65,589.15 1963.65,628.65 2020,685 v1(2034.81,685) 2049.09,670.72 X1.4@2064.48,670.72 2065.87,669.33 2091.54,695 v1(2115,695) v1(2170,640) 2190,620 2190,595.05 v1(2166.74,571.79) C6.1@2107.47,512.53 C7.1@2077.47,482.53 2076.08,481.14 2069.19,481.14 2067.8,482.53 v1(2052.47,482.53) 2045.77,489.24 2045.77,500.36 2044.37,501.75 C1.2@2044.37,508.64 ; U1.63@1974.98,320.97 2034.87,261.08 2071.14,261.08 C13.1@2072.53,262.47 v1(2092.51,242.49) v1@2092.51,237.51 ; v1(1996.36,508.64) C1.2@2044.37,508.64 ; R5.2@2011.14,203.86 2012.53,205.25 2060.25,205.25 v1@2092.51,237.51 ; C1.2@2045.77,510.04 C1.2@2044.37,508.64 ; P3.3@2229.37,201.46 2229.37,182.76 2201.61,155 2110,155 2092.51,172.49 v1@2092.51,237.51 ; C49.2@2257.62,1432.11 C50.2@2297.62,1432.11 2293.37,1427.86 R22.1@2293.37,1392.07 ; v1(2294.29,359.13) RST1.2@2294.29,306.42 RST1.2@2294.29,483.58 ; 1.40@2380,1344.61 v1(2380,1380) ; P2.6@2403.54,343.43 v1(2456.26,343.43) ; v1(2493.54,433.42) v1(2456.26,396.14) v1(2456.26,343.43) ; v1(2503.41,1328.26) v1(2503.41,1275.55) v1(2540.68,1238.27) v1(2577.96,1200.99) v1(2577.96,1148.28) v1(2577.96,1095.56) v1(2577.96,1042.84) v1(2577.96,990.13) v1(2577.96,937.41) v1(2577.96,884.69) v1(2577.96,831.98) v1(2577.96,779.26) v1(2577.96,726.54) v1(2577.96,673.83) v1(2577.96,621.11) v1(2577.96,568.39) v1(2577.96,515.68) 2577.96,462.96 2555,440 2520,440 2456.26,376.26 v1(2456.26,343.43) ; v1(589.56,491.97) v1(642.28,491.97) ; R18.2@632.78,1205.5 C43.1@632.78,1324.51 ; C43.1@632.78,1324.51 C43.1@632.28,1325 632.28,1347.28 655,1370 700,1370 725,1345
  Bottom Layer w6: v1(25,890) 25,942.72 37.29,955 ; v1(52.6,1325) v1(52.6,1355) ; v1(52.6,1385) v1(52.6,1355) ; v1(52.6,1440) v1(52.6,1470) v1(52.6,1500) 52.6,1530 ; v1(52.6,1560) v1(52.6,1590) 52.6,1620 ; 82.6,1355 v1(52.6,1355) ; 512.4,1115 v1(542.4,1115) v1(542.4,1145) ; 512.4,1195 v1(542.4,1195) v1(542.4,1225) ; 512.4,1275 v1(542.4,1275) v1(542.4,1305) ; 512.4,1355 v1(542.4,1355) v1(542.4,1385) ; v1(602.29,1245) 632.29,1245 ; v1(602.28,1285) 632.28,1285 ; v1(602.78,1205.5) 632.78,1205.5 ; v1(602.78,1324.51) 632.78,1324.51 ; 760.51,1342.09 v1(790.51,1342.09) ; v1(960.83,983.03) 990.83,983.03 v1(990.83,953.03) ; v1(960.83,1038.15) 990.83,1038.15 ; v1(960.83,1093.27) 990.83,1093.27 v1(990.83,1123.27) ; v1(1045.94,953.03) 1045.94,983.03 ; 1045.94,1093.27 v1(1045.94,1123.27) ; v1(1101.06,953.03) 1101.06,983.03 v1(1131.06,983.03) ; 1101.06,1038.15 v1(1131.06,1038.15) ; v1(1101.06,1123.27) 1101.06,1093.27 v1(1131.06,1093.27) ; v1(1419.49,1342.09) 1449.49,1342.09 ; v1(1937.54,1407.06) v1(1937.54,1437.06) v1(1937.54,1467.06) v1(1937.54,1497.06) ; v1(2245,750) 2271.22,750 D1.2@2276.22,755 ; D6.2@2276.22,615 2276.22,588.78 v1(2280,585) ; v1(2435,805) v1(2465,805) ; v1(2465,775) v1(2465,805) ; v1(2465,835) v1(2465,805) ; v1(2495,805) v1(2465,805)
  other v1: 2180,60 2405,60 2480,60 867.5,135 942.5,135 1017.5,135 1092.5,135 1414.02,180.98 830,210 905,210 1055,210 2555,210 1285,213.11 1285,247.07 1285,281.04 2255,360 1354,362.02 1294.02,395.98 1354,395.98 2294.29,411.85 642.28,461.97 612.28,491.97 672.28,491.97 345,505 642.28,521.97 345,550 642.5,585 717.5,585 605,660 680,660 1171.28,704.78 1060.08,709.92 1147.26,728.8 1036.06,733.94 567.5,735 867.5,735 942.5,735 1123.24,752.81 1012.05,757.95 1099.23,776.83 988.03,781.97 1075.21,800.85 964.02,805.98 530,810 680,810 1205,810 915,865 994.02,870.98 642.5,885 1167.5,885 810.98,949.02 680,960 1205,960 864.02,1015.98 642.5,1035 1167.5,1035 2442.5,1035 840,1040 701.34,1054.21 815.98,1064.02 830,1110 905,1110 1355,1110 1505,1110 2480,1110 709.02,1170.98 867.5,1185 942.5,1185 1017.5,1185 1242.5,1185 1317.5,1185 2517.5,1185 709.02,1204.95 1205,1260 1280,1260 1355,1260 705,1323.96 1842.5,1335 705,1357.93 1880,1410 2105,1410 2555,1410 2265,1430 2297.62,1430 406.04,1461.28 440,1461.28 473.96,1461.28 507.93,1461.28 541.89,1461.28 355,1525 388.96,1525 422.93,1525 456.89,1525 490.85,1525 524.82,1525 605,1560 680,1560 1655,1560 1730,1560 2030,1560 2105,1560 2265,1565 2297.62,1565 417.5,1635 492.5,1635 567.5,1635 642.5,1635 205,1695 300,1705 455,1710 530,1710 605,1710 680,1710 455,1860 530,1860 117.5,1935 192.5,1935 267.5,1935 492.5,1935 567.5,1935 80,2010 155,2010 230,2010 305,2010 455,2010 530,2010 605,2010 680,2010
GPIO0: IC2.27 Q5.3 | length 580.6
  Top Layer w6: IC2.27@1449.49,692.09 1451.9,694.5 1484.5,694.5 1520,730 1520,945 1580,1005 1580,1136.22 1615,1171.22 Q5.3@1615,1185
IRQ: IC1.24
KEY_POS1: 1.11 U1.8 | length 617.1
  Top Layer w6: U1.8@1891.46,532.55 1935,576.08 1935,625 2083.74,773.74 1.11@2380,773.74
KEY_POS2: 1.12 U1.9 | length 627
  Top Layer w6: U1.9@1877.54,546.46 1920,588.92 1920,626.97 2086.45,793.43 1.12@2380,793.43
KEY_POS3: 1.13 U1.10 | length 637
  Top Layer w6: U1.10@1863.62,560.38 1905,601.76 1905,628.94 2089.17,813.11 1.13@2380,813.11
KEY_POS4: 1.14 U1.11 | length 646.9
  Top Layer w6: U1.11@1849.71,574.3 1890,614.59 1890,630.91 2091.88,832.8 1.14@2380,832.8
KEY_POS5: 1.15 U1.24 | length 1292.7
  Top Layer w6: U1.24@1582.46,546.46 1583.54,546.46 1650,480 1705,480 1775,410 v1(1775,365) ; v1(2305,870) 2322.52,852.48 1.15@2380,852.48
  Bottom Layer w6: v1(1775,365) 1822,412 1822,608.18 2135.82,922 2285.7,922 2305,902.7 v1(2305,870)
KEY_POS6: 1.16 U1.25 | length 1283.7
  Top Layer w6: U1.25@1568.54,532.55 1641.08,460 1688.03,460 1735,413.03 v1(1735,365) ; v1(2335,900) 2335,881.43 2344.26,872.17 1.16@2380,872.17
  Bottom Layer w6: v1(1735,365) 1810,440 1810,615 2129,934 2301,934 v1(2335,900)
KEY_POS7: 1.17 U1.37 | length 1523.7
  Top Layer w6: U1.37@1526.78,279.22 1567.56,320 1605,320 v1(1625,340) ; 1.17@2380,891.85 2473.15,891.85 v1(2505,860)
  Bottom Layer w6: v1(1625,340) 1680,340 1740,400 1740,563.03 2122.97,946 2335.01,946 2421.01,860 v1(2505,860)
KEY_POS8: 1.18 U1.38 | length 1514.3
  Top Layer w6: U1.38@1540.7,265.29 1575.41,300 1614.7,300 1655,340.3 v1(1655,365) ; 1.18@2380,911.54 2488.46,911.54 v1(2505,895)
  Bottom Layer w6: v1(1655,365) 1679.7,365 1728,413.3 1728,568 2118,958 2340.03,958 2403.03,895 v1(2505,895)
KEY_POS9: 1.19 U1.39 | length 1513.5
  Top Layer w6: U1.39@1554.62,251.38 1588.24,285 1630,285 1705,360 1705,413.33 v1(1701.67,416.67) ; 1.19@2380,931.22 2380.61,930.61 2503.17,930.61 2503.78,931.22 v1(2505,930)
  Bottom Layer w6: v1(1701.67,416.67) 1715,430 1715,575 2110,970 2345,970 2385,930 v1(2505,930)